# KiCad board Zynq_SoM.kicad_pcb
title: Board Layout; date: 2024-09-22; rev: 1.0; company: Asdrubale
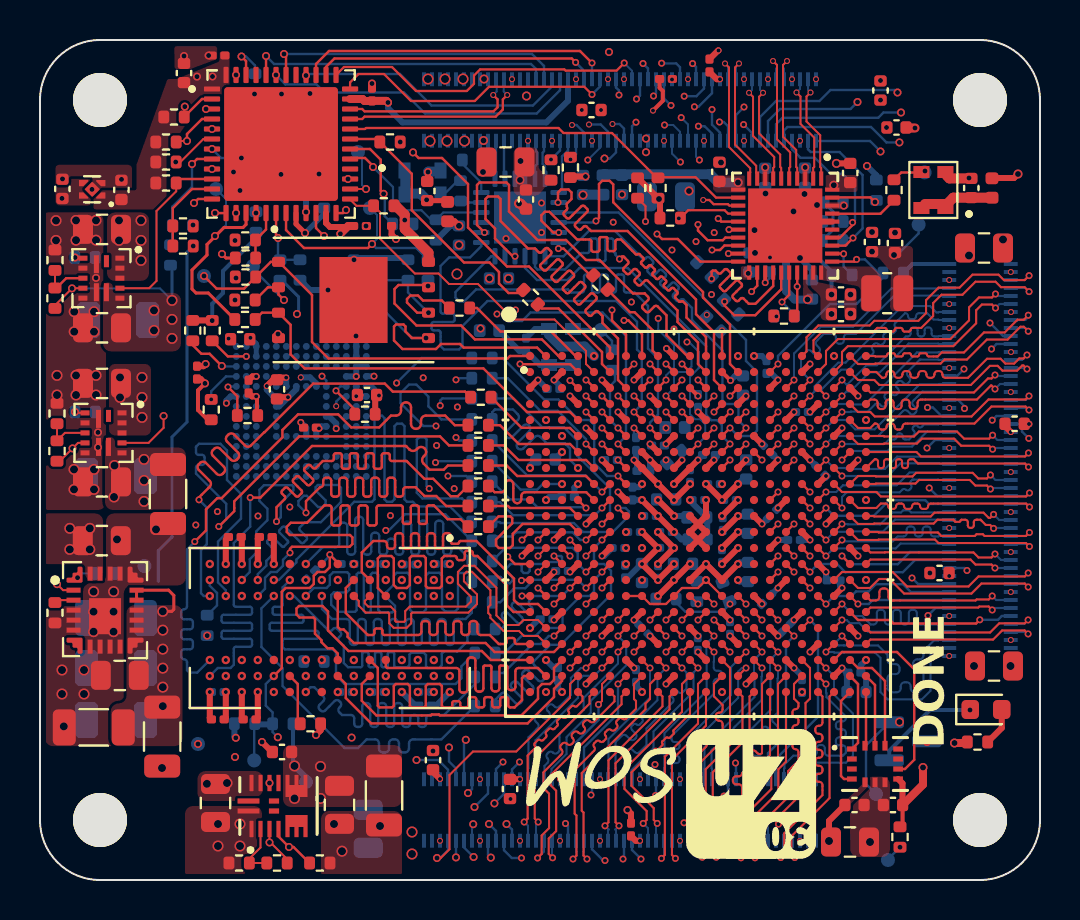
[diagram p0: board, top side]
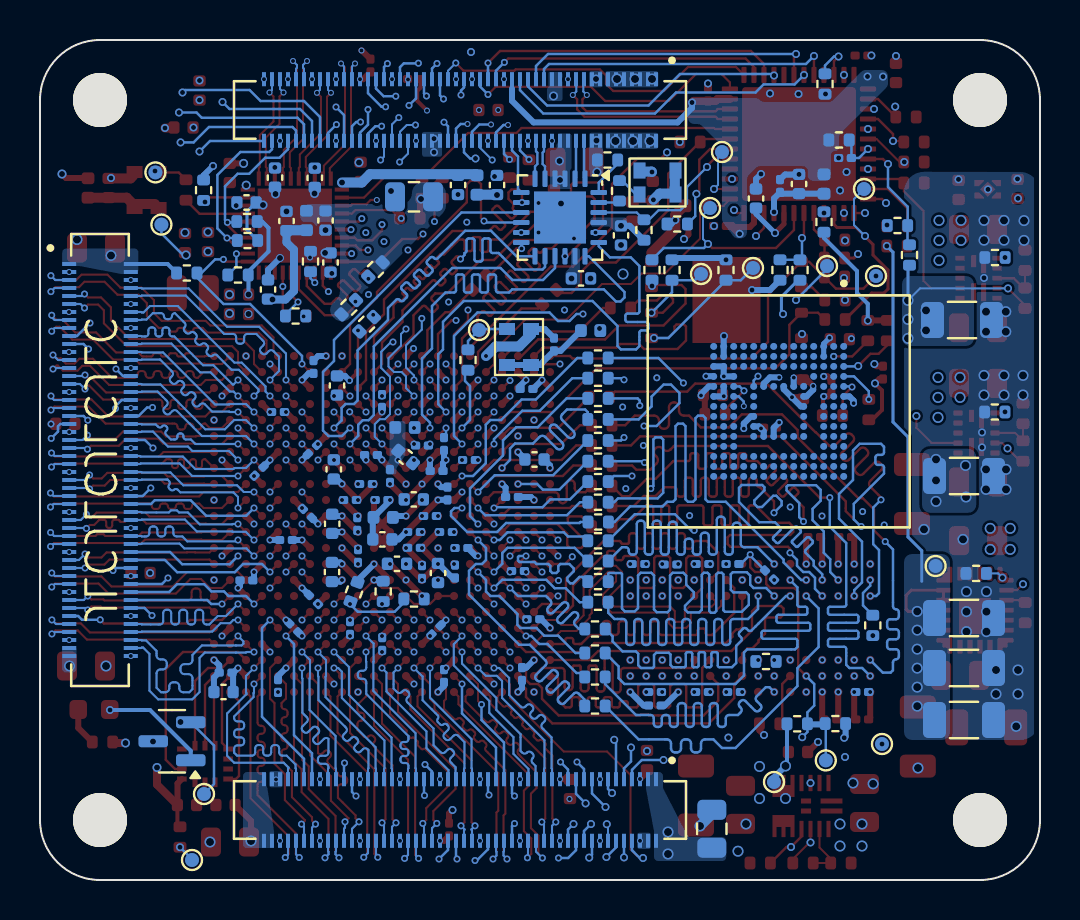
[diagram p1: board, bottom side, seen from below]

Outline 50 x 42 mm; copper layers: L1 (Sig), L2 (Gnd) (plane), L3 (Pwr) (plane), L4 (Sig+Pwr), L5 (Gnd) (plane), L6 (Sig+Pwr), L7 (Gnd) (plane), L8 (Sig). Coordinates in mm from the lower left corner of the outline.
Outline path: 0,39 arc(0.88,41.12) 3,42 47,42 arc(49.12,41.12) 50,39 50,3 arc(49.12,0.88) 47,0 3,0 arc(0.88,0.88) 0,3 0,39
Stack: L1 (Sig) 0.035mm / dielectric 0.0764mm FR4 er 3.91 / L2 (Gnd) 0.0152mm / dielectric 0.2mm FR4 er 4.36 / L3 (Pwr) 0.0152mm / dielectric 0.1528mm FR4 er 3.91 / L4 (Sig+Pwr) 0.0152mm / dielectric 0.2mm FR4 er 4.36 / L5 (Gnd) 0.0152mm / dielectric 0.1528mm FR4 er 3.91 / L6 (Sig+Pwr) 0.0152mm / dielectric 0.2mm FR4 er 4.36 / L7 (Gnd) 0.0152mm / dielectric 0.0764mm FR4 er 3.91 / L8 (Sig) 0.035mm

## Placement (name value [footprint] x y rotation side)
C1  4u7  [C_0402_1005Metric]  40.05 29.28 0 top
C2  100n  [C_0402_1005Metric]  40.05 28.3 0 top
C3  100n  [C_0402_1005Metric]  35.47 30.88 90 bottom
C4  100n  [C_0402_1005Metric]  38.25 35.12 270 bottom
C5  100n  [C_0402_1005Metric]  36.26 35.11 270 bottom
C6  100n  [C_0402_1005Metric]  41.6 31.9 90 top
C7  4u7  [C_0402_1005Metric]  42.75 31.85 90 top
C8  4u7  [C_0402_1005Metric]  1.12 34.56 90 top
C9  4u7  [C_0402_1005Metric]  4.07 34.5 90 top
C10  4u7  [C_0402_1005Metric]  37.68 32.95 90 bottom
C11  4u7  [C_0402_1005Metric]  35.72 32.97 270 bottom
C12  4u7  [C_0402_1005Metric]  27.15 34.75 90 bottom
C13  470n  [C_0201_0603Metric]  9.75 36.1 0 bottom
C15  4u7  [C_0402_1005Metric]  29.1 34.75 270 bottom
C16  100n  [C_0402_1005Metric]  39.68 33.88 180 bottom
C17  100n  [C_0402_1005Metric]  33.97 35.41 90 top
C18  100n  [C_0402_1005Metric]  40.51 35.35 90 top
C19  100n  [C_0402_1005Metric]  38.6 29.53 90 bottom
C20  100n  [C_0402_1005Metric]  20.95 32.23 270 bottom
C21  100n  [C_0402_1005Metric]  42.65 3.75 180 top
C22  100n  [C_0402_1005Metric]  46.56 34.6 90 top
C23  470n  [C_0201_0603Metric]  24.3 26.78 90 bottom
C24  47u  [C_0805_2012Metric]  3.99 10.23 180 top
C25  22u  [C_0805_2012Metric]  3.09 16.97 0 top
C26  22u  [C_0805_2012Metric]  3.1 24.83 180 top
C27  47u  [C_0805_2012Metric]  3.1 19.91 180 top
C28  47u  [C_0805_2012Metric]  3.1 32.53 180 top
C29  47u  [C_0805_2012Metric]  3.1 27.61 180 top
C30  22u  [C_0805_2012Metric]  8.78 3.85 270 top
C31  47u  [C_0805_2012Metric]  14.98 3.76 270 top
C32  4u7  [C_0402_1005Metric]  12.05 34.8 90 bottom
C33  470n  [C_0201_0603Metric]  10.43 24.67 90 top
C34  4u7  [C_0402_1005Metric]  11.85 24.53 270 top
C35  470n  [C_0201_0603Metric]  16.6 39.28 90 top
C36  4u7  [C_0402_1005Metric]  7.2 40.35 90 top
C37  470n  [C_0201_0603Metric]  16 32.7 0 top
C38  4u7  [C_0402_1005Metric]  16.35 24.25 180 top
C39  470n  [C_0201_0603Metric]  13.5 22.62 180 top
C40  4u7  [C_0402_1005Metric]  10.01 27.04 180 top
C41  470n  [C_0201_0603Metric]  17.9 32.7 180 top
C42  100u  [C_1206_3216Metric]  6.4 19.3 270 top
C43  470n  [C_0201_0603Metric]  32.5 20.2 270 bottom
C44  4u7  [C_0402_1005Metric]  32.15 15.81 180 bottom
C45  4u7  [C_0402_1005Metric]  35.4 15.4 90 bottom
C46  470n  [C_0201_0603Metric]  30.17 20.45 180 bottom
C47  470n  [C_0201_0603Metric]  29.62 19.32 270 bottom
C48  470n  [C_0201_0603Metric]  30.5 18.2 0 bottom
C49  47u  [C_0805_2012Metric]  31.3 34.16 0 bottom
C50  470n  [C_0201_0603Metric]  31.3 16.61 180 bottom
C51  100u  [C_1206_3216Metric]  6.11 7.17 270 top
C52  4u7  [C_0402_1005Metric]  35.31 20.53 90 bottom
C53  470n  [C_0201_0603Metric]  34.1 16.2 90 bottom
C54  470n  [C_0201_0603Metric]  34.5 19 0 bottom
C55  470n  [C_0201_0603Metric]  33.7 19.8 0 bottom
C56  470n  [C_0201_0603Metric]  34.14 17.8 90 bottom
C57  4u7  [C_0402_1005Metric]  30.1 15.35 90 bottom
C58  100u  [C_1206_3216Metric]  2.69 7.63 180 top
C59  4u7  [C_0402_1005Metric]  31.31 19.03 0 bottom
C60  100u  [C_1206_3216Metric]  3.8 10.6 180 bottom
C61  470n  [C_0201_0603Metric]  33.45 21.25 0 bottom
C62  470n  [C_0201_0603Metric]  31.3 17.4 0 bottom
C63  100u  [C_1206_3216Metric]  3.8 13.1 180 bottom
C64  100u  [C_1206_3216Metric]  3.8 8 180 bottom
C65  10u  [C_0402_1005Metric]  31.72 21.15 220 bottom
C66  4u7  [C_0402_1005Metric]  35.39 17.81 270 bottom
C67  470n  [C_0201_0603Metric]  30.9 15.4 270 bottom
C68  100u  [C_1206_3216Metric]  3.9 28 180 bottom
C69  470n  [C_0201_0603Metric]  36.32 25.65 90 bottom
C70  4u7  [C_0402_1005Metric]  42.03 39.47 90 top
C71  4u7  [C_0402_1005Metric]  27.57 38.5 0 top
C72  470n  [C_0201_0603Metric]  39.05 20.44 315 bottom
C73  47u  [C_0805_2012Metric]  23.28 35.9 180 top
C74  47u  [C_0805_2012Metric]  47.2 31.6 0 top
C75  47u  [C_0805_2012Metric]  47.7 10.7 180 top
C76  470n  [C_0201_0603Metric]  25.68 24.55 180 bottom
C77  4u7  [C_0402_1005Metric]  44.97 15.35 0 top
C78  4u7  [C_0402_1005Metric]  42.82 37.62 0 top
C79  4u7  [C_0402_1005Metric]  48.73 22.81 180 top
C80  470n  [C_0201_0603Metric]  38.1 23.4 180 bottom
C81  470n  [C_0201_0603Metric]  36.38 21.53 315 bottom
C82  470n  [C_0201_0603Metric]  39.68 14.98 0 bottom
C83  470n  [C_0201_0603Metric]  37.7 17 0 bottom
C84  470n  [C_0201_0603Metric]  36.63 18.33 225 bottom
C85  470n  [C_0201_0603Metric]  36.32 14.03 45 bottom
C86  47u  [C_0805_2012Metric]  40.5 1.9 0 top
C87  4u7  [C_0402_1005Metric]  40.82 9.4 0 bottom
C88  4u7  [C_0402_1005Metric]  40.72 3.75 0 top
C89  470n  [C_0201_0603Metric]  34.5 12.6 90 bottom
C90  470n  [C_0201_0603Metric]  37.31 12.61 225 bottom
C91  470n  [C_0201_0603Metric]  38.1 9.7 270 bottom
C92  470n  [C_0201_0603Metric]  40.72 10.37 0 bottom
C93  100u  [C_1206_3216Metric]  17.2 4.22 270 top
C94  470n  [C_0201_0603Metric]  29.8 21.8 270 bottom
C95  4u7  [C_0402_1005Metric]  25.28 21.03 0 bottom
C96  100u  [C_1206_3216Metric]  3.8 20.2 180 bottom
C97  4u7  [C_0402_1005Metric]  35.15 24.72 270 bottom
C98  470n  [C_0201_0603Metric]  32.9 23.95 90 bottom
C99  470n  [C_0201_0603Metric]  25.33 13.04 0 bottom
C100  470n  [C_0201_0603Metric]  29.55 2.53 270 top
C101  470n  [C_0201_0603Metric]  26.4 19.15 180 bottom
C102  470n  [C_0201_0603Metric]  26.1 15.45 0 bottom
C103  4u7  [C_0402_1005Metric]  32.88 17.03 180 bottom
C104  47n  [C_0201_0603Metric]  19.25 9.4 0 bottom
C105  47n  [C_0201_0603Metric]  16.9 9.4 180 bottom
C106  47n  [C_0201_0603Metric]  15.3 9.4 0 bottom
C107  470n  [C_0201_0603Metric]  33.47 40.72 270 top
C108  470n  [C_0201_0603Metric]  31.3 40.05 0 top
C109  47n  [C_0201_0603Metric]  16.87 15.8 0 bottom
C110  47n  [C_0201_0603Metric]  18.47 15.78 180 bottom
C111  47n  [C_0201_0603Metric]  20.07 15.8 180 bottom
C112  470n  [C_0201_0603Metric]  7.85 25.37 90 top
C113  47n  [C_0201_0603Metric]  13.52 15.25 45 bottom
C114  470n  [C_0201_0603Metric]  11.29 17.15 0 top
C118  47n  [C_0201_0603Metric]  19.26 8.73 0 bottom
C119  47n  [C_0201_0603Metric]  8.89 9.4 180 bottom
C120  47n  [C_0201_0603Metric]  10.48 8.03 180 top
C121  47n  [C_0201_0603Metric]  8.89 8.03 180 top
C122  47n  [C_0201_0603Metric]  9.74 17.15 0 top
C123  4u7  [C_0402_1005Metric]  12.1 6.4 180 top
C124  47n  [C_0201_0603Metric]  15.37 15.8 0 bottom
C125  47n  [C_0201_0603Metric]  29.25 15.42 270 bottom
C126  47n  [C_0201_0603Metric]  28.55 21 180 bottom
C127  47u  [C_0805_2012Metric]  16.41 2.56 90 bottom
C128  4u7  [C_0402_1005Metric]  19.65 6 270 top
C129  4u7  [C_0402_1005Metric]  23.5 4.55 90 top
C130  470n  [C_0201_0603Metric]  30.2 12.5 315 bottom
C131  470n  [C_0201_0603Metric]  32.89 11.8 270 bottom
C132  470n  [C_0201_0603Metric]  25.9 10.3 90 bottom
C133  470n  [C_0201_0603Metric]  29.8 10.2 270 bottom
C134  470n  [C_0201_0603Metric]  30.9 21.72 0 bottom
C135  470n  [C_0201_0603Metric]  32.92 19 0 bottom
C136  470n  [C_0201_0603Metric]  8.92 41.22 180 top
C137  470n  [C_0201_0603Metric]  13 34.7 90 bottom
C138  100n  [C_0402_1005Metric]  22.95 30.08 180 bottom
C139  4u7  [C_0402_1005Metric]  14.2 34.08 90 bottom
C141  4u7  [C_0402_1005Metric]  24.3 34.03 270 top
C142  100n  [C_0402_1005Metric]  19.36 34.45 90 top
D2  LED_Small  [LED_0603_1608Metric]  47.3 8.53 0 top
G***  LOGO  [zinc_symbol_new]  31.56 4.3 180 top
H1  MountingHole  [MountingHole_2.7mm_M2.5_ISO14580_MOD]  3 3 0 top
H2  MountingHole  [MountingHole_2.7mm_M2.5_ISO14580_MOD]  47 39 0 top
H3  MountingHole  [MountingHole_2.7mm_M2.5_ISO14580_MOD]  3 39 0 top
H4  MountingHole  [MountingHole_2.7mm_M2.5_ISO14580_MOD]  47 3 0 top
J1  DF40C-100DS-0.4V_51  [HRS_DF40C-100DS-0.4V_51_]  29 38.5 180 bottom
J2  DF40C-100DS-0.4V_51  [HRS_DF40C-100DS-0.4V_51_]  29 3.5 180 bottom
J3  DF40C-100DS-0.4V_51  [HRS_DF40C-100DS-0.4V_51_]  47 21 90 bottom
L1  3u3  [L_0806_2.0x1.6mm]  42.36 29.34 0 top
L2  120R  [L_0402_1005Metric]  36.68 32.97 90 bottom
L3  120R  [L_0402_1005Metric]  28.15 34.75 90 bottom
L4  120R  [L_0402_1005Metric]  31.75 22.62 0 bottom
L5  600@100MHz  [L_0402_1005Metric]  10.8 34.8 270 bottom
L6  120R  [L_0402_1005Metric]  47.6 34.6 90 top
L7  120R  [L_0402_1005Metric]  22.47 27.47 180 bottom
L8  120R  [L_0402_1005Metric]  20.38 33.42 270 top
L9  120R  [L_0402_1005Metric]  32.84 18.13 180 bottom
Q3  NMOS  [SOT-23]  43.4 6.94 0 bottom
R1  10k  [R_0402_1005Metric]  10.25 28.03 0 top
R2  22R  [R_0402_1005Metric]  28.6 26 270 bottom
R3  1k5  [R_0402_1005Metric]  10.05 37 180 bottom
R4  1k5  [R_0402_1005Metric]  10.75 39.8 270 bottom
R5  10k  [R_0402_1005Metric]  19.8 32.5 90 bottom
R6  10k  [R_0402_1005Metric]  19.4 30.5 270 bottom
R7  4k7  [R_0402_1005Metric]  33.67 27.79 315 bottom
R8  4k7  [R_0402_1005Metric]  36.47 30.92 90 bottom
R9  4k7  [R_0402_1005Metric]  37.2 28.2 180 top
R10  4k7  [R_0402_1005Metric]  37.22 28.2 180 bottom
R11  4k7  [R_0402_1005Metric]  33.22 30.53 315 bottom
R12  4k7  [R_0402_1005Metric]  34.56 28.64 135 bottom
R13  10k  [R_0402_1005Metric]  18.4 30.5 90 bottom
R14  1k5  [R_0402_1005Metric]  31.51 33.1 0 top
R15  10k  [R_0402_1005Metric]  42.66 30.35 180 bottom
R16  2k49  [R_0402_1005Metric]  41.82 34.49 90 bottom
R17  4k7  [R_0402_1005Metric]  39.62 31.97 180 bottom
R18  4k7  [R_0402_1005Metric]  40.1 30.25 0 bottom
R19  4k7  [R_0402_1005Metric]  39.65 32.92 0 bottom
R20  22R  [R_0402_1005Metric]  42.7 34.5 270 top
R21  22R  [R_0402_1005Metric]  21.03 34.46 270 bottom
R22  22R  [R_0402_1005Metric]  28.03 29.88 315 top
R23  100k  [R_0402_1005Metric]  0.85 23.33 90 top
R24  8k06  [R_0402_1005Metric]  21.62 36 180 bottom
R25  28k7  [R_0402_1005Metric]  0.75 13.36 270 top
R26  200k  [R_0402_1005Metric]  0.85 21.45 90 top
R27  100k  [R_0402_1005Metric]  3.19 15.33 0 bottom
R28  100k  [R_0402_1005Metric]  6.7 38.15 0 top
R29  100k  [R_0402_1005Metric]  6.3 36.9 0 top
R30  100k  [R_0402_1005Metric]  2.26 23.4 0 bottom
R31  100k  [R_0402_1005Metric]  2.25 31.12 0 bottom
R32  100k  [R_0402_1005Metric]  6.3 34.85 0 top
R33  200k  [R_0402_1005Metric]  0.75 29.09 90 top
R34  44k2  [R_0402_1005Metric]  0.75 30.99 90 top
R35  100k  [R_0402_1005Metric]  13.99 0.85 0 top
R36  100k  [R_0402_1005Metric]  6.3 35.9 0 top
R37  200k  [R_0402_1005Metric]  11.85 0.85 180 top
R38  160k  [R_0402_1005Metric]  9.96 0.85 180 top
R39  10k  [R_0402_1005Metric]  16.25 23.29 180 top
R40  10k  [R_0402_1005Metric]  7.64 27.47 270 top
R41  10k  [R_0402_1005Metric]  8.56 23.52 90 top
R42  10k  [R_0402_1005Metric]  10.38 23.22 180 top
R43  10k  [R_0402_1005Metric]  8.61 27.47 270 top
R44  10k  [R_0402_1005Metric]  10.28 30.15 0 top
R45  240R  [R_0402_1005Metric]  13.52 7.81 0 top
R46  100R  [R_0201_0603Metric]  29.7 17.4 0 bottom
R47  100R  [R_0201_0603Metric]  28.92 16.6 0 bottom
R48  4k7  [R_0402_1005Metric]  8.36 12.73 270 bottom
R49  22R  [R_0402_1005Metric]  22.1 14.92 180 bottom
R50  100R  [R_0402_1005Metric]  13.7 10.93 180 bottom
R51  22R  [R_0402_1005Metric]  22.25 11.35 180 bottom
R52  22R  [R_0402_1005Metric]  22.1 13.89 180 bottom
R53  22R  [R_0402_1005Metric]  21.91 17.67 180 top
R54  22R  [R_0402_1005Metric]  22.1 16.96 180 bottom
R55  22R  [R_0402_1005Metric]  22.1 19.92 180 bottom
R56  22R  [R_0402_1005Metric]  21.91 18.7 180 top
R57  22R  [R_0402_1005Metric]  22.1 18.89 180 bottom
R58  22R  [R_0402_1005Metric]  21.91 19.7 180 top
R59  22R  [R_0402_1005Metric]  22.1 26.1 180 bottom
R60  22R  [R_0402_1005Metric]  22.1 21.98 180 bottom
R61  22R  [R_0402_1005Metric]  21.91 20.73 180 top
R62  22R  [R_0402_1005Metric]  21.91 21.73 180 top
R63  22R  [R_0402_1005Metric]  22.1 20.94 180 bottom
R64  22R  [R_0402_1005Metric]  22.1 25.09 180 bottom
R65  22R  [R_0402_1005Metric]  22.1 23.03 180 bottom
R66  22R  [R_0402_1005Metric]  22.04 24.14 180 top
R67  22R  [R_0402_1005Metric]  21.91 22.74 180 top
R68  22R  [R_0402_1005Metric]  22.09 17.9 180 bottom
R69  22R  [R_0402_1005Metric]  22.1 24.08 180 bottom
R70  22R  [R_0402_1005Metric]  22.25 8.7 180 bottom
R71  22R  [R_0402_1005Metric]  22.25 12.55 180 bottom
R72  22R  [R_0402_1005Metric]  22.1 15.95 180 bottom
R73  22R  [R_0402_1005Metric]  22.25 10.15 180 bottom
R74  10k  [R_0402_1005Metric]  25.55 35.5 270 top
R75  10k  [R_0402_1005Metric]  26.52 35.63 90 top
R76  10k  [R_0402_1005Metric]  15.7 30.5 90 bottom
R77  10k  [R_0402_1005Metric]  10.25 29 180 top
R78  100k  [R_0402_1005Metric]  7.15 31.7 180 top
R79  100k  [R_0402_1005Metric]  7.15 32.7 0 top
R80  100k  [R_0402_1005Metric]  12 30.5 90 bottom
R81  100k  [R_0402_1005Metric]  13 30.5 270 bottom
R82  100k  [R_0402_1005Metric]  6.53 31.25 90 bottom
R83  100k  [R_0402_1005Metric]  7.12 32.72 0 bottom
R84  100k  [R_0402_1005Metric]  10.28 31.1 0 top
R85  100k  [R_0402_1005Metric]  10.26 32 180 top
R86  10k  [R_0402_1005Metric]  17.5 36.9 180 top
R87  10k  [R_0402_1005Metric]  18.14 32.8 180 bottom
R88  10k  [R_0402_1005Metric]  12.14 7.81 180 bottom
R89  10k  [R_0402_1005Metric]  10.23 7.82 180 bottom
R90  10k  [R_0402_1005Metric]  30.9 34.6 90 top
R91  330  [R_0402_1005Metric]  46.88 6.9 0 top
R92  10k  [R_0402_1005Metric]  31.3 14.05 0 bottom
R93  10k  [R_0402_1005Metric]  34.3 14.4 110 bottom
R94  10k  [R_0402_1005Metric]  29.88 34.6 270 top
R95  22R  [R_0402_1005Metric]  20.97 28.6 0 top
R96  22R  [R_0402_1005Metric]  24.53 29.14 315 top
R97  10k  [R_0402_1005Metric]  10.8 32.9 90 bottom
R98  4k7  [R_0402_1005Metric]  32.84 14.43 270 bottom
R99  4k7  [R_0402_1005Metric]  43 2.15 270 top
R100  10k  [R_0402_1005Metric]  17.19 33.71 180 top
TP1  TestPoint  [TestPoint_Pad_D0.7mm]  7.9 6.8 180 bottom
TP2  TestPoint  [TestPoint_Pad_D0.7mm]  42.4 1 180 bottom
TP3  TestPoint  [TestPoint_Pad_D0.7mm]  41.8 4.3 180 bottom
TP4  TestPoint  [TestPoint_Pad_D0.7mm]  28.05 27.5 180 bottom
TP5  TestPoint  [TestPoint_Pad_D0.7mm]  15.9 36.4 180 bottom
TP6  TestPoint  [TestPoint_Pad_D0.7mm]  8.2 30.2 180 bottom
TP7  TestPoint  [TestPoint_Pad_D0.7mm]  14.35 30.6 180 bottom
TP8  TestPoint  [TestPoint_Pad_D0.7mm]  10.65 30.7 180 bottom
TP9  TestPoint  [TestPoint_Pad_D0.7mm]  8.8 34.55 180 bottom
TP10  TestPoint  [TestPoint_Pad_D0.7mm]  16.5 33.6 180 bottom
TP11  TestPoint  [TestPoint_Pad_D0.7mm]  16.95 30.3 180 bottom
TP12  TestPoint  [TestPoint_Pad_D0.7mm]  44.23 35.38 180 bottom
TP13  TestPoint  [TestPoint_Pad_D0.7mm]  43.93 32.77 180 bottom
TP14  TestPoint  [TestPoint_Pad_D0.7mm]  5.22 15.7 180 bottom
TP15  TestPoint  [TestPoint_Pad_D0.7mm]  13.3 4.9 180 bottom
TP16  TestPoint  [TestPoint_Pad_D0.7mm]  10.71 5.98 180 bottom
U1  MT41K256M16TW-107_P  [BGA96C80P9X16_1400X800X120]  14.49 12.6 270 top
U2  XC7Z020-CLG484  [CLG484_XIL-L_new]  32.9 17.8 0 top
U3  RTL8211F  [RTL8211F-CG_RTK-L]  37.26 32.72 270 top
U4  -  [MPM3834]  3.17 22.36 270 top
U5  USB3318  [QFN-24-1EP_4x4mm_P0.5mm_EP2.6x2.6mm]  24 33.12 270 bottom
U6  -  [MPM3834]  3.07 30.09 270 top
U7  IS21ES08G  [BGA153N50P14X14_1150X1300X100]  13.06 23.43 270 bottom
U8  TPSM82864  [B0QFN_RDJ]  3.25 13.49 0 top
U9  STM32G431CBUx  [STM32G431CBU6]  12.05 36.8 0 top
U10  MPM3822  [QFN_2p5x3p5x1p6_MNP]  11.93 3.7 90 top
U11  W25Q128JVS  [WSON-8-1EP_8x6mm_P1.27mm_EP3.4x4.3mm]  15.67 29 0 top
U13  TPS7A20  [TLV707]  2.61 34.53 180 top
U14  BMI323  [BMI323_BOS]  41.75 5.8 0 top
X1  ASCO  [Oscillator_SMD_Kyocera_4PIN_2.0x1.6mm]  19.12 34.88 0 bottom
X2  ASE-xxxMHz  [Oscillator_SMD_Kyocera_4PIN_2.0x1.6mm]  44.67 34.5 90 top
X3  CMOS_OSC  [Oscillator_SMD_Kyocera_4PIN_2.0x1.6mm]  26.05 26.65 90 bottom

## Library data of the parts
C1 C7-C12 C15 C32 C34 C36 C38 C40 C44 C57 C59 C66 C70 C71 C77-C79 C87 C88 C95 C103 C123 C128 C129 C139 C141 = -: Description: Unpolarized capacitor, small symbol; Rating: 6.3 V; Type: X5R; Package: 0402; LCSC Part: C368809; ki_fp_filters: C_*
C2-C6 C16-C22 C138 C142 = -: Description: Unpolarized capacitor, small symbol; Rating: 6.3 V; Type: X5R; Package: 0402; LCSC Part: gia; ki_fp_filters: C_*
C13 = -: LCSC Part: C85926; ki_fp_filters: C_*
C23 C33 C35 C37 C39 C41 C43 C46-C48 C50 C53-C56 C61 C62 C67 C69 C72 C76 C80-C85 C89-C92 C94 C98-C102 C107 C108 C112 C114 C130-C137 = -: Description: Unpolarized capacitor, small symbol; Rating: 6.3 V; Type: X5R; Package: 0201; LCSC Part: C85926; ki_fp_filters: C_*
C24 C27-C29 C31 C49 C73-C75 C86 C127 = -: Description: Unpolarized capacitor, small symbol; Rating: 6.3 V; Type: X5R; Package: 0805; LCSC Part: C16780; ki_fp_filters: C_*
C25 C26 C30 = -: Description: Unpolarized capacitor, small symbol; Rating: 6.3 V; Type: X5R; Package: 0805; LCSC Part: C98190; ki_fp_filters: C_*
C42 C51 C58 C60 C63 C64 C68 C93 C96 = -: Description: Unpolarized capacitor, small symbol; Rating: 6.3 V; Type: X5R; Package: 1206; LCSC Part: C15008; ki_fp_filters: C_*
C45 C52 = -: Description: Unpolarized capacitor, small symbol; Rating: 6.3 V; Type: X5R; Package: 0201; LCSC Part: C368809; ki_fp_filters: C_*
C65 = -: Description: Unpolarized capacitor, small symbol; Rating: 6.3 V; Type: X5R; Package: 0402; ki_fp_filters: C_*
C97 = -: Description: Unpolarized capacitor, small symbol; Rating: 6.3 V; Type: X5R; LCSC Part: C368809; ki_fp_filters: C_*
C104-C106 C109-C111 C113 C118-C122 C124-C126 = -: Description: Unpolarized capacitor, small symbol; Rating: 6.3 V; Type: X5R; Package: 0201; LCSC Part: C85925; ki_fp_filters: C_*
D2 = -: Description: Light emitting diode, small symbol; ki_fp_filters: LED* LED_SMD:* LED_THT:*
H1-H4 = -: Description: Mounting Hole without connection
J1-J3 = -: Description: 100 Position Connector Plug, Outer Shroud Contacts Surface Mount Gold; MF: Hirose Electric Co Ltd; MAXIMUM_PACKAGE_HEIGHT: 1.29mm; Package: None; Price: None; Check_prices: https://www.snapeda.com/parts/DF40C-100DP-0.4V(51)/Hirose/view-part/?ref=eda; STANDARD: Manufacturer Recommendations; PARTREV: 02/2020; SnapEDA_Link: https://www.snapeda.com/parts/DF40C-100DP-0.4V(51)/Hirose/view-part/?ref=snap; MP: DF40C-100DP-0.4V(51); Purchase-URL: https://www.snapeda.com/api/url_track_click_mouser/?unipart_id=7177778&manufacturer=Hirose Electric Co Ltd&part_name=DF40C-100DP-0.4V(51)&search_term=df40c-100dp-0.4; Availability: In Stock; MANUFACTURER: Hirose Electric; Digikey: DF40HC(3.0)-100DS-0.4V(51)
L1 = -: Description: Inductor, small symbol; LCSC Part: C98336; ki_fp_filters: Choke_* *Coil* Inductor_* L_*
L2-L4 L6 L8 L9 = -: Description: Inductor with ferrite core, small symbol; Package: 0402; ki_fp_filters: Choke_* *Coil* Inductor_* L_*
L5 = -: LCSC Part: C337875; ki_fp_filters: Choke_* *Coil* Inductor_* L_*
L7 = -: Description: Inductor with ferrite core, small symbol; ki_fp_filters: Choke_* *Coil* Inductor_* L_*
Q3 = -: Datasheet: https://ngspice.sourceforge.io/docs/ngspice-html-manual/manual.xhtml#cha_MOSFETs; Description: N-MOSFET transistor, drain/source/gate; Sim.Type: VDMOS; Sim.Pins: 1=D 2=G 3=S
R1 R3-R22 R24 R39-R45 R48-R77 R86-R100 = -: Description: Resistor, small symbol; Tolerance: 1%; Package: 0402; ki_fp_filters: R_*
R2 R23 R25-R28 R30-R38 R78-R85 = -: Description: Resistor, small symbol; Package: 0402; Tolerance: 1%; ki_fp_filters: R_*
R29 = -: Description: Resistor, small symbol; Package: 0402; ki_fp_filters: R_*
R46 R47 = -: Description: Resistor, small symbol; Tolerance: 1%; Package: 0201; ki_fp_filters: R_*
TP1-TP16 = -: Description: test point; ki_fp_filters: Pin* Test*
U1 = -: Description: SDRAM - DDR3L Memory IC 4Gb (256M x 16) Parallel 933 MHz 20 ns 96-FBGA (8x14); Availability: In Stock; Check_prices: https://www.snapeda.com/parts/MT41K256M16TW-107:P/Micron+Technology+Inc./view-part/?ref=eda; MANUFACTURER: Micron; MAXIMUM_PACKAGE_HEIGHT: 1.20mm; MF: Micron Technology; MP: MT41K256M16TW-107:P; PARTREV: P; Package: FBGA-96 Micron; Price: None; Purchase-URL: https://www.snapeda.com/api/url_track_click_mouser/?unipart_id=471174&manufacturer=Micron Technology&part_name=MT41K256M16TW-107:P&search_term=None; STANDARD: IPC-7351B; SnapEDA_Link: https://www.snapeda.com/parts/MT41K256M16TW-107:P/Micron+Technology+Inc./view-part/?ref=snap; LCSC Part: gia
U2 = -: Datasheet: https://www.xilinx.com/support/documentation/data_sheets/ds190-Zynq-7000-Overview.pdf; LCSC Part: gia
U3 = -: LCSC Part: C187932
U4 U6 = -: Digikey: MPM3834CGPA-Z
U5 = -: Datasheet: https://ww1.microchip.com/downloads/aemDocuments/documents/OTH/ProductDocuments/DataSheets/00002367A.pdf; Description: Hi-Speed USB ULPI Transceiver, QFN-24; Digikey: USB3318C-CP-TR; ki_fp_filters: QFN*1EP*4x4mm*P0.5mm*
U7 = -: Digikey: IS21ES08GA-JCLI-TR
U8 = -: Datasheet: TPSM82864AA0SRDJR; LCSC Part: C5219321; ki_fp_filters: RDJ0023A-MFG RDJ0023A-SMD-MFG
U9 = -: Datasheet: https://www.st.com/resource/en/datasheet/stm32g431cb.pdf; Description: STMicroelectronics Arm Cortex-M4 MCU, 128KB flash, 32KB RAM, 170 MHz, 1.71-3.6V, 42 GPIO, UFQFPN48; LCSC Part: gia
U10 = -: LCSC Part: C5799652
U11 = -: Datasheet: http://www.winbond.com/resource-files/w25q128jv_dtr%20revc%2003272018%20plus.pdf; Description: 128Mb Serial Flash Memory, Standard/Dual/Quad SPI, SOIC-8; LCSC Part: C401662; ki_fp_filters: SOIC*5.23x5.23mm*P1.27mm*
U14 = -: Datasheet: https://www.bosch-sensortec.com/media/boschsensortec/downloads/datasheets/bst-bmi323-ds000.pdf; LCSC Part: C5368700
X1 = -: Datasheet: https://abracon.com/Oscillators/ASCO.pdf; Description: Crystal Clock Oscillator, Abracon ASCO; Digikey: KC2016Z13.0000C1KX00; ki_fp_filters: Oscillator*Abracon*ASCO*1.6x1.2mm*
X2 = -: Datasheet: http://www.abracon.com/Oscillators/ASV.pdf; Description: 3.3V CMOS SMD Crystal Clock Oscillator, Abracon; Digikey: KC2016Z25.0000C1KX00; ki_fp_filters: Oscillator*SMD*Abracon*ASE*3.2x2.5mm*
X3 = -: Description: CMOS SMD Crystal Clock Oscillator; Digikey: KC2016Z33.0000C1KX00; ki_fp_filters: Oscillator*SMD*Abracon*ASE*3.2x2.5mm*
